# KiCad board DALU.kicad_pcb
title: DALU for SlothPU; rev: 1
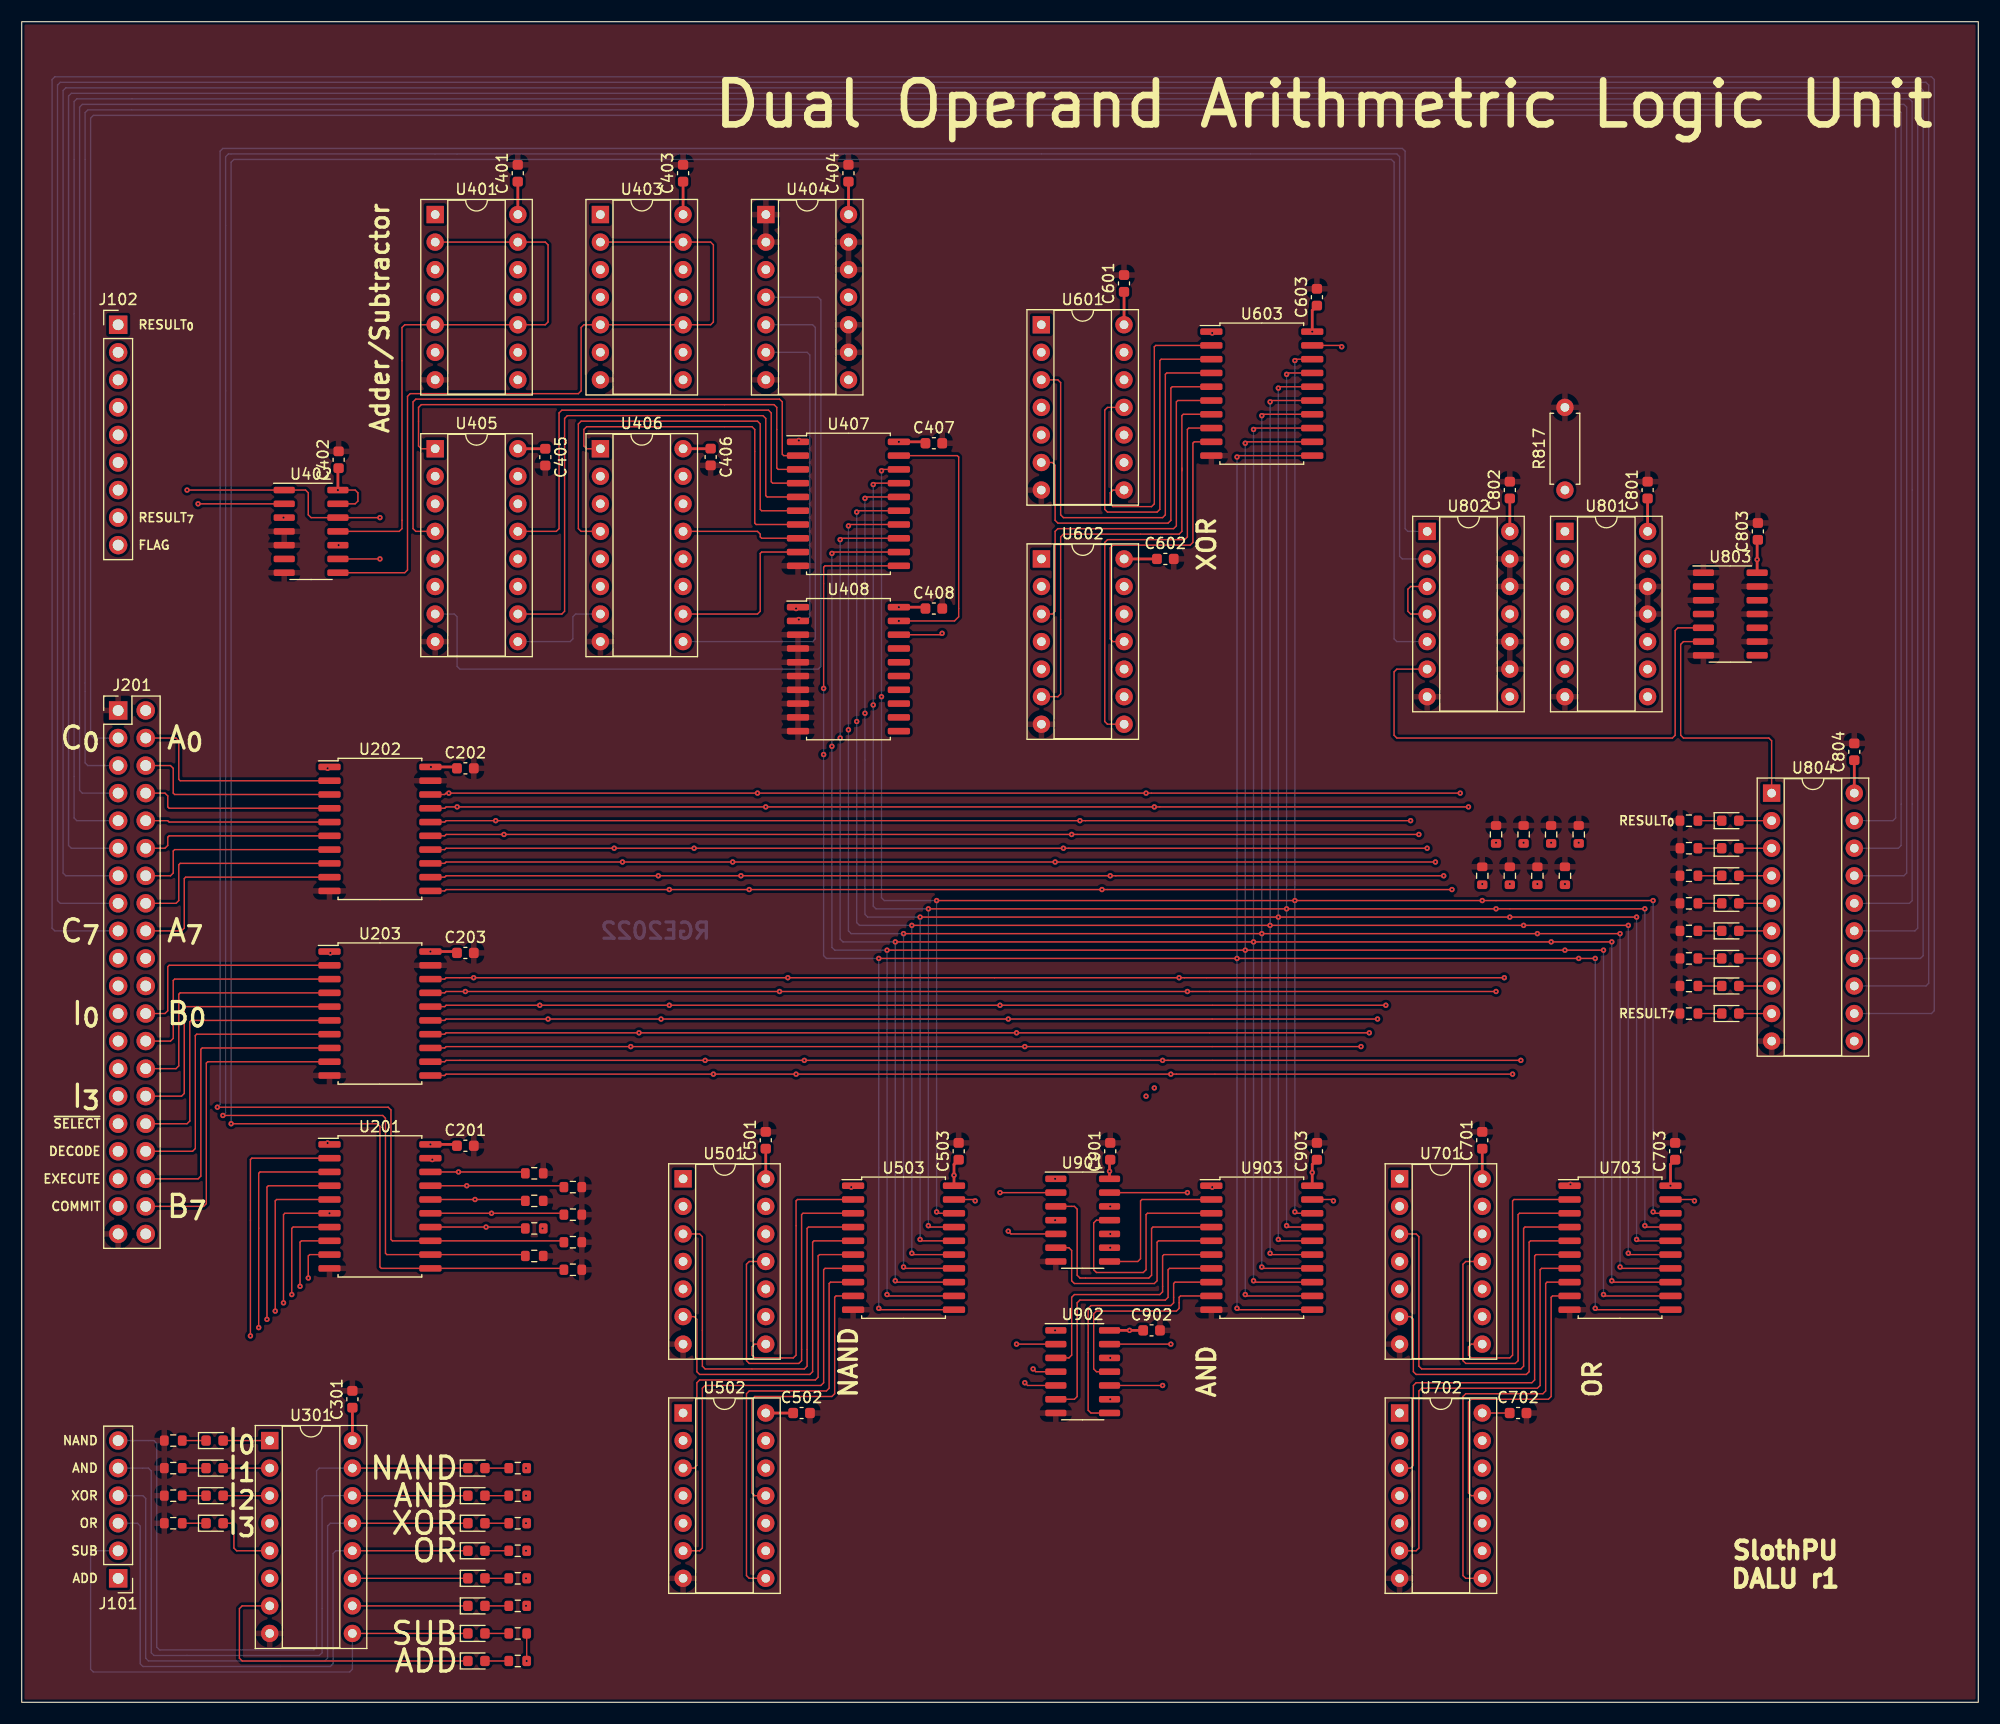
[diagram p0: board, top side]
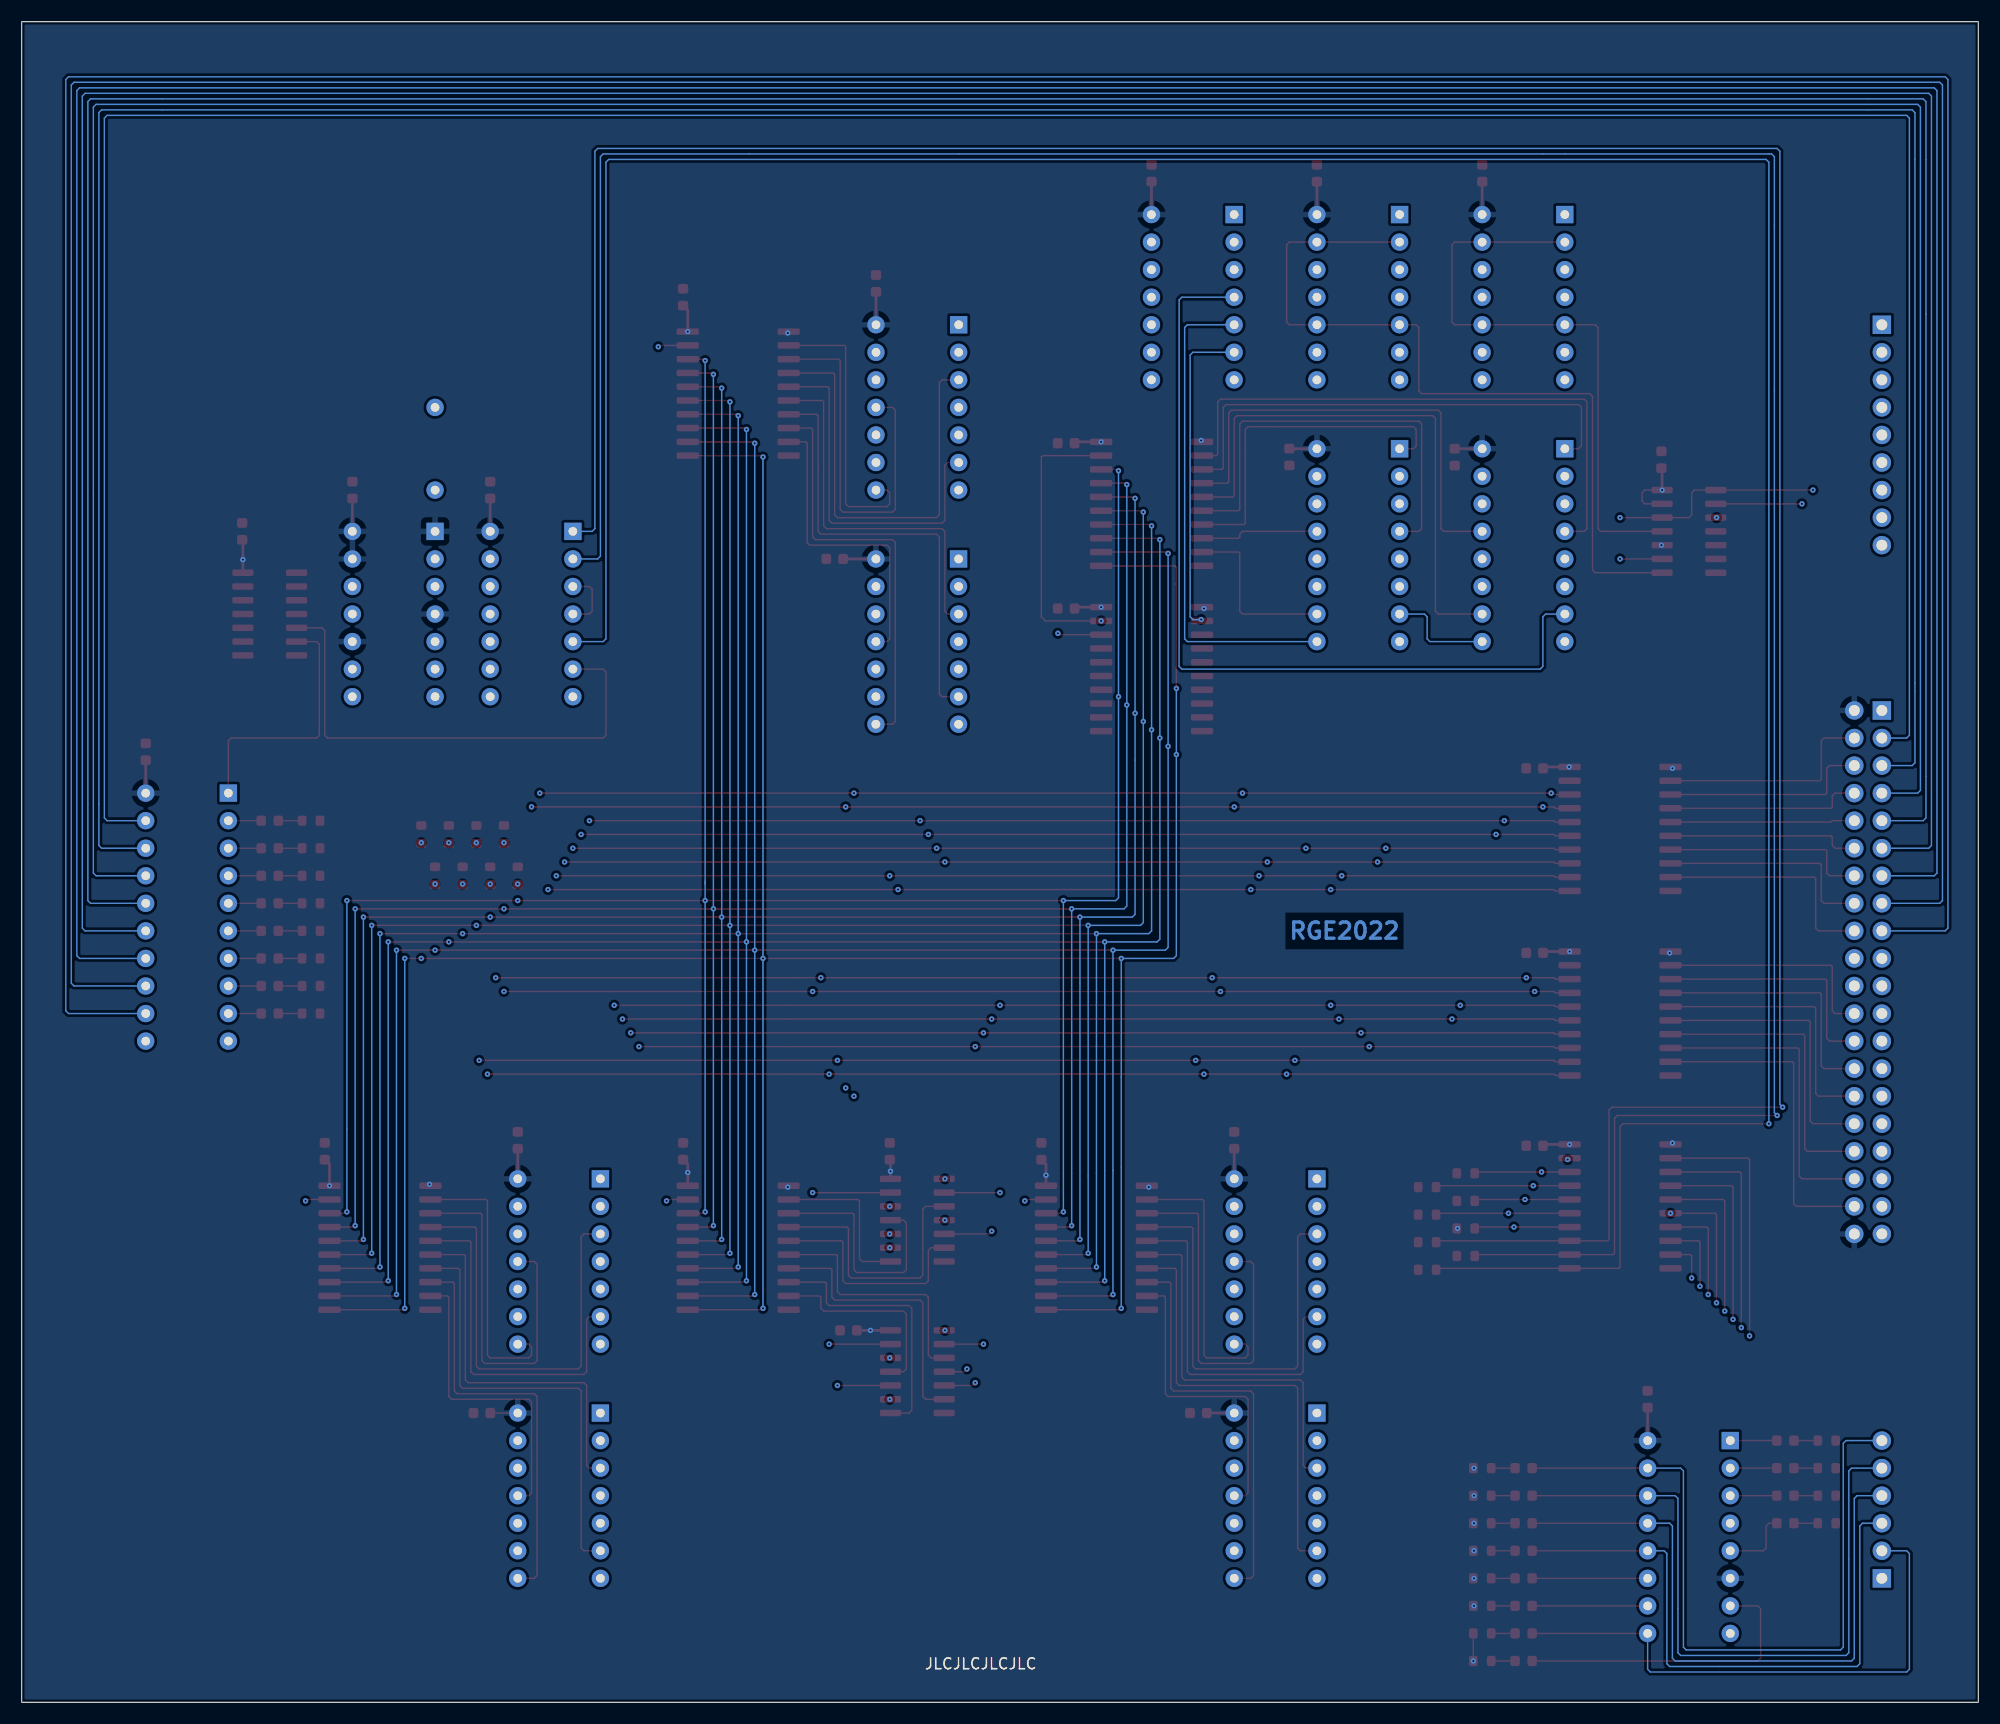
[diagram p1: board, bottom side, seen from below]

Outline 180.34 x 154.94 mm; copper layers: Top, In1.Cu, In2.Cu, Bottom. Coordinates in mm from the lower left corner of the outline.
Outline path: rectangle 0,154.94 180.34,0
Stack: Top 0.035mm / dielectric 1.51mm FR4 er 4.5 / In1.Cu 0.035mm / dielectric 1.51mm FR4 er 4.5 / In2.Cu 0.035mm / dielectric 1.51mm FR4 er 4.5 / Bottom 0.035mm

## Placement (name value [footprint] x y rotation side)
C201  100n  [C_0603_1608Metric]  40.89 51.31 0 top
C202  100n  [C_0603_1608Metric]  40.89 86.11 0 top
C203  100n  [C_0603_1608Metric]  40.89 69.09 0 top
C301  100n  [C_0603_1608Metric]  30.48 27.94 90 top
C401  100n  [C_0603_1608Metric]  45.72 140.97 90 top
C402  100n  [C_0603_1608Metric]  29.21 114.55 90 top
C403  100n  [C_0603_1608Metric]  60.96 140.97 90 top
C404  100n  [C_0603_1608Metric]  76.2 140.97 90 top
C405  100n  [C_0603_1608Metric]  48.26 114.8 270 top
C406  100n  [C_0603_1608Metric]  63.5 114.81 270 top
C407  100n  [C_0603_1608Metric]  84.07 116.08 0 top
C408  100n  [C_0603_1608Metric]  84.07 100.84 0 top
C501  100n  [C_0603_1608Metric]  68.58 51.82 90 top
C502  100n  [C_0603_1608Metric]  71.88 26.67 0 top
C503  100n  [C_0603_1608Metric]  86.36 50.8 90 top
C601  100n  [C_0603_1608Metric]  101.6 130.81 90 top
C602  100n  [C_0603_1608Metric]  105.41 105.41 0 top
C603  100n  [C_0603_1608Metric]  119.38 129.54 90 top
C701  100n  [C_0603_1608Metric]  134.62 51.82 90 top
C702  100n  [C_0603_1608Metric]  137.92 26.67 0 top
C703  100n  [C_0603_1608Metric]  152.4 50.8 90 top
C801  100n  [C_0603_1608Metric]  149.86 111.76 90 top
C802  100n  [C_0603_1608Metric]  137.16 111.76 90 top
C803  100n  [C_0603_1608Metric]  160.02 107.95 90 top
C804  100n  [C_0603_1608Metric]  168.91 87.63 90 top
C901  100n  [C_0603_1608Metric]  100.33 50.8 90 top
C902  100n  [C_0603_1608Metric]  104.14 34.29 0 top
C903  100n  [C_0603_1608Metric]  119.38 50.8 90 top
D301  LED  [LED_0603_1608Metric]  17.78 16.51 0 top
D302  LED  [LED_0603_1608Metric]  17.78 19.05 0 top
D303  LED  [LED_0603_1608Metric]  17.78 21.59 0 top
D304  LED  [LED_0603_1608Metric]  17.78 24.13 0 top
D305  LED  [LED_0603_1608Metric]  41.91 11.43 0 top
D306  LED  [LED_0603_1608Metric]  41.91 8.89 0 top
D307  LED  [LED_0603_1608Metric]  41.91 6.35 0 top
D308  LED  [LED_0603_1608Metric]  41.91 3.81 0 top
D309  LED  [LED_0603_1608Metric]  41.91 21.59 0 top
D310  LED  [LED_0603_1608Metric]  41.91 19.05 0 top
D311  LED  [LED_0603_1608Metric]  41.91 16.51 0 top
D312  LED  [LED_0603_1608Metric]  41.91 13.97 0 top
D801  LED  [LED_0603_1608Metric]  157.48 81.28 0 top
D802  LED  [LED_0603_1608Metric]  157.48 78.74 0 top
D803  LED  [LED_0603_1608Metric]  157.48 76.2 0 top
D804  LED  [LED_0603_1608Metric]  157.48 73.66 0 top
D805  LED  [LED_0603_1608Metric]  157.48 71.12 0 top
D806  LED  [LED_0603_1608Metric]  157.48 68.58 0 top
D807  LED  [LED_0603_1608Metric]  157.48 66.04 0 top
D808  LED  [LED_0603_1608Metric]  157.48 63.5 0 top
J101  Conn_01x06  [PinHeader_1x06_P2.54mm_Vertical]  8.89 11.43 180 top
J102  Conn_01x09  [PinHeader_1x09_P2.54mm_Vertical]  8.89 127 0 top
J201  Conn_02x20_Odd_Even  [PinHeader_2x20_P2.54mm_Vertical]  8.89 91.44 0 top
R201  220k  [R_0603_1608Metric]  47.24 48.77 0 top
R202  220k  [R_0603_1608Metric]  50.8 47.5 0 top
R203  220k  [R_0603_1608Metric]  47.24 46.23 0 top
R204  220k  [R_0603_1608Metric]  50.8 44.96 0 top
R205  220k  [R_0603_1608Metric]  47.24 43.69 0 top
R206  220k  [R_0603_1608Metric]  50.8 42.42 0 top
R207  220k  [R_0603_1608Metric]  47.24 41.15 0 top
R208  220k  [R_0603_1608Metric]  50.8 39.88 0 top
R301  4k7  [R_0603_1608Metric]  13.97 16.51 0 top
R302  4k7  [R_0603_1608Metric]  13.97 19.05 0 top
R303  4k7  [R_0603_1608Metric]  13.97 21.59 0 top
R304  4k7  [R_0603_1608Metric]  13.97 24.13 0 top
R305  4k7  [R_0603_1608Metric]  45.72 11.43 0 top
R306  4k7  [R_0603_1608Metric]  45.72 8.89 0 top
R307  4k7  [R_0603_1608Metric]  45.72 6.35 0 top
R308  4k7  [R_0603_1608Metric]  45.72 3.81 0 top
R309  4k7  [R_0603_1608Metric]  45.72 21.59 0 top
R310  4k7  [R_0603_1608Metric]  45.72 19.05 0 top
R311  4k7  [R_0603_1608Metric]  45.72 16.51 0 top
R312  4k7  [R_0603_1608Metric]  45.72 13.97 0 top
R801  220k  [R_0603_1608Metric]  134.62 76.2 270 top
R802  220k  [R_0603_1608Metric]  135.89 80.01 270 top
R803  220k  [R_0603_1608Metric]  137.16 76.2 270 top
R804  220k  [R_0603_1608Metric]  138.43 80.01 270 top
R805  220k  [R_0603_1608Metric]  139.7 76.2 270 top
R806  220k  [R_0603_1608Metric]  140.97 80.01 270 top
R807  220k  [R_0603_1608Metric]  142.24 76.2 270 top
R808  220k  [R_0603_1608Metric]  143.51 80.01 270 top
R809  4k7  [R_0603_1608Metric]  153.67 81.28 0 top
R810  4k7  [R_0603_1608Metric]  153.67 78.74 0 top
R811  4k7  [R_0603_1608Metric]  153.67 76.2 0 top
R812  4k7  [R_0603_1608Metric]  153.67 73.66 0 top
R813  4k7  [R_0603_1608Metric]  153.67 71.12 0 top
R814  4k7  [R_0603_1608Metric]  153.67 68.58 0 top
R815  4k7  [R_0603_1608Metric]  153.67 66.04 0 top
R816  4k7  [R_0603_1608Metric]  153.67 63.5 0 top
R817  10k  [R_Axial_DIN0207_L6.3mm_D2.5mm_P7.62mm_Horizontal]  142.24 111.76 90 top
U201  74HC245  [SOIC-20W_7.5x12.8mm_P1.27mm]  33.02 45.72 0 top
U202  74HC245  [SOIC-20W_7.5x12.8mm_P1.27mm]  33.02 80.52 0 top
U203  74HC245  [SOIC-20W_7.5x12.8mm_P1.27mm]  33.02 63.5 0 top
U301  74HC138  [DIP-16_W7.62mm_Socket]  22.86 24.13 0 top
U401  74HC86  [DIP-14_W7.62mm_Socket]  38.11 137.16 0 top
U402  74HC08  [SOIC-14_3.9x8.7mm_P1.27mm]  26.67 107.95 0 top
U403  74HC86  [DIP-14_W7.62mm_Socket]  53.34 137.16 0 top
U404  74HC86  [DIP-14_W7.62mm_Socket]  68.59 137.16 0 top
U405  74HC283  [DIP-16_W7.62mm_Socket]  38.11 115.57 0 top
U406  74HC283  [DIP-16_W7.62mm_Socket]  53.34 115.57 0 top
U407  74HC245  [SOIC-20W_7.5x12.8mm_P1.27mm]  76.2 110.49 0 top
U408  74HC245  [SOIC-20W_7.5x12.8mm_P1.27mm]  76.2 95.25 0 top
U501  74HC00  [DIP-14_W7.62mm_Socket]  60.96 48.26 0 top
U502  74HC00  [DIP-14_W7.62mm_Socket]  60.96 26.67 0 top
U503  74HC245  [SOIC-20W_7.5x12.8mm_P1.27mm]  81.28 41.91 0 top
U601  74HC86  [DIP-14_W7.62mm_Socket]  93.98 127 0 top
U602  74HC86  [DIP-14_W7.62mm_Socket]  93.99 105.41 0 top
U603  74HC245  [SOIC-20W_7.5x12.8mm_P1.27mm]  114.3 120.65 0 top
U701  74HC32  [DIP-14_W7.62mm_Socket]  127 48.26 0 top
U702  74HC32  [DIP-14_W7.62mm_Socket]  127 26.67 0 top
U703  74HC245  [SOIC-20W_7.5x12.8mm_P1.27mm]  147.32 41.91 0 top
U801  74HC74  [DIP-14_W7.62mm_Socket]  142.24 107.95 0 top
U802  74HC32  [DIP-14_W7.62mm_Socket]  129.54 107.95 0 top
U803  74HC14  [SOIC-14_3.9x8.7mm_P1.27mm]  157.48 100.33 0 top
U804  74HCT574  [DIP-20_W7.62mm_Socket]  161.29 83.82 0 top
U901  74HC08  [SOIC-14_3.9x8.7mm_P1.27mm]  97.79 44.45 0 top
U902  74HC08  [SOIC-14_3.9x8.7mm_P1.27mm]  97.79 30.48 0 top
U903  74HC245  [SOIC-20W_7.5x12.8mm_P1.27mm]  114.3 41.91 0 top

## Library data of the parts
C201-C203 C301 C401-C408 C501-C503 C601-C603 C701-C703 C801-C804 C901-C903 = -: LCSC: C14663
D301 D305 D306 = -: LCSC: C2286
D302-D304 D307-D312 D801-D808 = -: LCSC: C72043
R201-R208 R801-R808 = -: LCSC: C22961
R301-R312 R809-R816 = -: LCSC: C23162
U201-U203 U407 U408 U503 U603 U703 U903 = -: LCSC: C5625
U402 U901 U902 = -: LCSC: C5593

## Footprints (pads in the part's own frame, mm; a bottom-side part is the same pattern mirrored in y, then rotated)
C_0603_1608Metric
  rrect 0.9x0.95 smd: 1(-0.775,0) 2(0.775,0)
DIP-14_W7.62mm_Socket
  rect 1.6x1.6 hole 0.8: 1(0,0)
  oval 1.6x1.6 hole 0.8: 2(0,-2.54) 3(0,-5.08) 4(0,-7.62) 5(0,-10.16) 6(0,-12.7) 7(0,-15.24) 8(7.62,-15.24) 9(7.62,-12.7) 10(7.62,-10.16) 11(7.62,-7.62) 12(7.62,-5.08) 13(7.62,-2.54) 14(7.62,0)
DIP-16_W7.62mm_Socket
  rect 1.6x1.6 hole 0.8: 1(0,0)
  oval 1.6x1.6 hole 0.8: 2(0,-2.54) 3(0,-5.08) 4(0,-7.62) 5(0,-10.16) 6(0,-12.7) 7(0,-15.24) 8(0,-17.78) 9(7.62,-17.78) 10(7.62,-15.24) 11(7.62,-12.7) 12(7.62,-10.16) 13(7.62,-7.62) 14(7.62,-5.08) 15(7.62,-2.54) 16(7.62,0)
DIP-20_W7.62mm_Socket
  rect 1.6x1.6 hole 0.8: 1(0,0)
  oval 1.6x1.6 hole 0.8: 2(0,-2.54) 3(0,-5.08) 4(0,-7.62) 5(0,-10.16) 6(0,-12.7) 7(0,-15.24) 8(0,-17.78) 9(0,-20.32) 10(0,-22.86) 11(7.62,-22.86) 12(7.62,-20.32) 13(7.62,-17.78) 14(7.62,-15.24) 15(7.62,-12.7) 16(7.62,-10.16) 17(7.62,-7.62) 18(7.62,-5.08) 19(7.62,-2.54) 20(7.62,0)
LED_0603_1608Metric
  rrect 0.875x0.95 smd: 1(-0.787,0) 2(0.787,0)
PinHeader_1x06_P2.54mm_Vertical
  rect 1.7x1.7 hole 1: 1(0,0)
  oval 1.7x1.7 hole 1: 2(0,-2.54) 3(0,-5.08) 4(0,-7.62) 5(0,-10.16) 6(0,-12.7)
PinHeader_1x09_P2.54mm_Vertical
  rect 1.7x1.7 hole 1: 1(0,0)
  oval 1.7x1.7 hole 1: 2(0,-2.54) 3(0,-5.08) 4(0,-7.62) 5(0,-10.16) 6(0,-12.7) 7(0,-15.24) 8(0,-17.78) 9(0,-20.32)
PinHeader_2x20_P2.54mm_Vertical
  rect 1.7x1.7 hole 1: 1(0,0)
  oval 1.7x1.7 hole 1: 2(2.54,0) 3(0,-2.54) 4(2.54,-2.54) 5(0,-5.08) 6(2.54,-5.08) 7(0,-7.62) 8(2.54,-7.62) 9(0,-10.16) 10(2.54,-10.16) 11(0,-12.7) 12(2.54,-12.7) 13(0,-15.24) 14(2.54,-15.24) 15(0,-17.78) 16(2.54,-17.78) 17(0,-20.32) 18(2.54,-20.32) 19(0,-22.86) 20(2.54,-22.86) 21(0,-25.4) 22(2.54,-25.4) 23(0,-27.94) 24(2.54,-27.94) 25(0,-30.48) 26(2.54,-30.48) 27(0,-33.02) 28(2.54,-33.02) 29(0,-35.56) 30(2.54,-35.56) 31(0,-38.1) 32(2.54,-38.1) 33(0,-40.64) 34(2.54,-40.64) 35(0,-43.18) 36(2.54,-43.18) 37(0,-45.72) 38(2.54,-45.72) 39(0,-48.26) 40(2.54,-48.26)
R_0603_1608Metric
  rrect 0.8x0.95 smd: 1(-0.825,0) 2(0.825,0)
R_Axial_DIN0207_L6.3mm_D2.5mm_P7.62mm_Horizontal
  round 1.6 hole 0.8: 1(0,0)
  oval 1.6x1.6 hole 0.8: 2(7.62,0)
SOIC-14_3.9x8.7mm_P1.27mm
  rrect 1.95x0.6 smd: 1(-2.475,3.81) 2(-2.475,2.54) 3(-2.475,1.27) 4(-2.475,0) 5(-2.475,-1.27) 6(-2.475,-2.54) 7(-2.475,-3.81) 8(2.475,-3.81) 9(2.475,-2.54) 10(2.475,-1.27) 11(2.475,0) 12(2.475,1.27) 13(2.475,2.54) 14(2.475,3.81)
SOIC-20W_7.5x12.8mm_P1.27mm
  rrect 2.05x0.6 smd: 1(-4.65,5.715) 2(-4.65,4.445) 3(-4.65,3.175) 4(-4.65,1.905) 5(-4.65,0.635) 6(-4.65,-0.635) 7(-4.65,-1.905) 8(-4.65,-3.175) 9(-4.65,-4.445) 10(-4.65,-5.715) 11(4.65,-5.715) 12(4.65,-4.445) 13(4.65,-3.175) 14(4.65,-1.905) 15(4.65,-0.635) 16(4.65,0.635) 17(4.65,1.905) 18(4.65,3.175) 19(4.65,4.445) 20(4.65,5.715)

## Nets
+5V: C201.1 C202.1 C203.1 C301.1 C401.1 C402.1 C403.1 C404.1 C405.1 C406.1 C407.1 C408.1 C501.1 C502.1 C503.1 C601.1 C602.1 C603.1 C701.1 C702.1 C703.1 C801.1 C802.1 C803.1 C804.1 C901.1 C902.1 C903.1 J201.2 J201.40 R205.2 R305.2 R306.2 R307.2 R308.2 R309.2 R310.2 R311.2 R312.2 U201.1 U201.20 U202.1 U202.20 U203.1 U203.20 U301.6 U301.16 U401.14 U402.10 U402.13 U402.14 U403.14 U404.14 U405.16 U406.16 U407.1 U407.20 U408.1 U408.20 U501.14 U502.14 U503.1 U503.20 U601.14 U602.14 U603.1 U603.20 U701.14 U702.14 U703.1 U703.20 U801.1 U801.4 U801.10 U801.13 U801.14 U802.14 U803.14 U804.20 U901.14 U902.14 U903.1 U903.20
GND: C201.2 C202.2 C203.2 C301.2 C401.2 C402.2 C403.2 C404.2 C405.2 C406.2 C407.2 C408.2 C501.2 C502.2 C503.2 C601.2 C602.2 C603.2 C701.2 C702.2 C703.2 C801.2 C802.2 C803.2 C804.2 C901.2 C902.2 C903.2 J201.1 J201.39 R201.2 R202.2 R203.2 R204.2 R206.2 R207.2 R208.2 R301.1 R302.1 R303.1 R304.1 R801.1 R802.1 R803.1 R804.1 R805.1 R806.1 R807.1 R808.1 R809.1 R810.1 R811.1 R812.1 R813.1 R814.1 R815.1 R816.1 R817.2 U201.10 U202.10 U202.19 U203.10 U203.19 U301.8 U401.7 U402.4 U402.5 U402.7 U403.7 U404.1 U404.2 U404.7 U404.9 U404.10 U404.12 U404.13 U405.8 U406.8 U407.10 U408.3 U408.4 U408.5 U408.6 U408.7 U408.8 U408.9 U408.10 U501.7 U502.7 U503.10 U601.7 U602.7 U603.10 U701.7 U702.7 U703.10 U801.7 U801.11 U801.12 U802.7 U802.9 U802.10 U802.12 U802.13 U803.1 U803.3 U803.7 U803.9 U803.11 U803.13 U804.10 U901.7 U902.7 U903.10
/AdderSubtractor/B'0: U401.3 U405.6
/AdderSubtractor/B'1: U401.6 U405.2
/AdderSubtractor/B'2: U401.8 U405.15
/AdderSubtractor/B'3: U401.11 U405.11
/AdderSubtractor/B'4: U403.3 U406.6
/AdderSubtractor/B'5: U403.6 U406.2
/AdderSubtractor/B'6: U403.8 U406.15
/AdderSubtractor/B'7: U403.11 U406.11
/AdderSubtractor/FLAG: J102.9 R817.1 U408.18 U801.2
/AdderSubtractor/S_{0}: U405.4 U407.2
/AdderSubtractor/S_{1}: U405.1 U407.3
/AdderSubtractor/S_{2}: U405.13 U407.4
/AdderSubtractor/S_{3}: U405.10 U407.5
/AdderSubtractor/S_{4}: U406.4 U407.6
/AdderSubtractor/S_{5}: U406.1 U407.7
/AdderSubtractor/S_{6}: U406.13 U407.8
/AdderSubtractor/S_{7}: U406.10 U407.9
/AdderSubtractor/~{OE}: U402.3 U407.19 U408.19
/AND/A0: U202.18 U405.5 U501.9 U601.9 U701.9 U901.9
/AND/A1: U202.17 U405.3 U501.12 U601.12 U701.12 U901.12
/AND/A2: U202.16 U405.14 U501.1 U601.1 U701.1 U901.1
/AND/A3: U202.15 U405.12 U501.4 U601.4 U701.4 U901.4
/AND/A4: U202.14 U406.5 U502.1 U602.1 U702.1 U902.1
/AND/A5: U202.13 U406.3 U502.4 U602.4 U702.4 U902.4
/AND/A6: U202.12 U406.14 U502.9 U602.9 U702.9 U902.9
/AND/A7: U202.11 U406.12 U502.12 U602.12 U702.12 U902.12
/AND/AND0: U901.8 U903.2
/AND/AND1: U901.11 U903.3
/AND/AND2: U901.3 U903.4
/AND/AND3: U901.6 U903.5
/AND/AND4: U902.3 U903.6
/AND/AND5: U902.6 U903.7
/AND/AND6: U902.8 U903.8
/AND/AND7: U902.11 U903.9
/AND/B0: U203.18 U401.1 U501.10 U601.10 U701.10 U901.10
/AND/B1: U203.17 U401.4 U501.13 U601.13 U701.13 U901.13
/AND/B2: U203.16 U401.9 U501.2 U601.2 U701.2 U901.2
/AND/B3: U203.15 U401.12 U501.5 U601.5 U701.5 U901.5
/AND/B4: U203.14 U403.1 U502.2 U602.2 U702.2 U902.2
/AND/B5: U203.13 U403.4 U502.5 U602.5 U702.5 U902.5
/AND/B6: U203.12 U403.9 U502.10 U602.10 U702.10 U902.10
/AND/B7: U203.11 U403.12 U502.13 U602.13 U702.13 U902.13
/AND/RESULT0: D801.2 J102.1 R801.2 U407.18 U503.18 U603.18 U703.18 U804.2 U903.18
/AND/RESULT1: D802.2 J102.2 R802.2 U407.17 U503.17 U603.17 U703.17 U804.3 U903.17
/AND/RESULT2: D803.2 J102.3 R803.2 U407.16 U503.16 U603.16 U703.16 U804.4 U903.16
/AND/RESULT3: D804.2 J102.4 R804.2 U407.15 U503.15 U603.15 U703.15 U804.5 U903.15
/AND/RESULT4: D805.2 J102.5 R805.2 U407.14 U503.14 U603.14 U703.14 U804.6 U903.14
/AND/RESULT5: D806.2 J102.6 R806.2 U407.13 U503.13 U603.13 U703.13 U804.7 U903.13
/AND/RESULT6: D807.2 J102.7 R807.2 U407.12 U503.12 U603.12 U703.12 U804.8 U903.12
/AND/RESULT7: D808.2 J102.8 R808.2 U407.11 U503.11 U603.11 U703.11 U804.9 U903.11
/Connector/A^{raw}_{0}: J201.4 U202.2
/Connector/B^{raw}_{0}: J201.24 U203.2
/Connector/C0: J201.3 U804.19
/Connector/C1: J201.5 U804.18
/Connector/C2: J201.7 U804.17
/Connector/C3: J201.9 U804.16
/Connector/C4: J201.11 U804.15
/Connector/C5: J201.13 U804.14
/Connector/C6: J201.15 U804.13
/Connector/C7: J201.17 U804.12
/Connector/Commit_{raw}: J201.37 U201.9
/Connector/Control.Commit: R208.1 U201.11 U802.5
/Connector/Control.Decode: R206.1 U201.13 U802.1
/Connector/Control.Execute: R207.1 U201.12 U801.3 U802.2 U804.11
/Connector/Control.I0: D304.2 R201.1 U201.18 U301.1
/Connector/Control.I1: D303.2 R202.1 U201.17 U301.2
/Connector/Control.I2: D302.2 R203.1 U201.16 U301.3
/Connector/Control.I3: D301.2 R204.1 U201.15 U301.5
/Connector/Control.~{SELECT}: R205.1 U201.14 U301.4
/Connector/DALUFLAG: J201.19 U801.5
/Connector/Decode_{raw}: J201.33 U201.7
/Connector/Execute_{raw}: J201.35 U201.8
/Connector/I^{raw}_{0}: J201.23 U201.2
/Connector/I^{raw}_{1}: J201.25 U201.3
/Connector/I^{raw}_{2}: J201.27 U201.4
/Connector/I^{raw}_{3}: J201.29 U201.5
/Connector/~{SELECT_{DALU}}: J201.31 U201.6 U201.19
/Decoder/~{ADD}: D308.1 J101.1 U301.7 U402.1 U402.9 U402.12 U404.4 U405.7
/Decoder/~{AND}: D310.1 J101.5 U301.14 U903.19
/Decoder/~{BAD_{2}}: D306.1 U301.10
/Decoder/~{BAD_{3}}: D305.1 U301.11
/Decoder/~{NAND}: D309.1 J101.6 U301.15 U503.19
/Decoder/~{OR}: D312.1 J101.3 U301.12 U703.19
/Decoder/~{SUBTRACT}: D307.1 J101.2 U301.9 U402.2
/Decoder/~{XOR}: D311.1 J101.4 U301.13 U603.19
/NAND/NAND0: U501.8 U503.2
/NAND/NAND1: U501.11 U503.3
/NAND/NAND2: U501.3 U503.4
/NAND/NAND3: U501.6 U503.5
/NAND/NAND4: U502.3 U503.6
/NAND/NAND5: U502.6 U503.7
/NAND/NAND6: U502.8 U503.8
/NAND/NAND7: U502.11 U503.9
/OR/OR0: U701.8 U703.2
/OR/OR1: U701.11 U703.3
/OR/OR2: U701.3 U703.4
/OR/OR3: U701.6 U703.5
/OR/OR4: U702.3 U703.6
/OR/OR5: U702.6 U703.7
/OR/OR6: U702.8 U703.8
/OR/OR7: U702.11 U703.9
/Output Stage/~{OE}: U803.6 U804.1
/XOR/XOR0: U601.8 U603.2
/XOR/XOR1: U601.11 U603.3
/XOR/XOR2: U601.3 U603.4
/XOR/XOR3: U601.6 U603.5
/XOR/XOR4: U602.3 U603.6
/XOR/XOR5: U602.6 U603.7
/XOR/XOR6: U602.8 U603.8
/XOR/XOR7: U602.11 U603.9
Net-(D301-Pad1): D301.1 R301.2
Net-(D302-Pad1): D302.1 R302.2
Net-(D303-Pad1): D303.1 R303.2
Net-(D304-Pad1): D304.1 R304.2
Net-(D305-Pad2): D305.2 R305.1
Net-(D306-Pad2): D306.2 R306.1
Net-(D307-Pad2): D307.2 R307.1
Net-(D308-Pad2): D308.2 R308.1
Net-(D309-Pad2): D309.2 R309.1
Net-(D310-Pad2): D310.2 R310.1
Net-(D311-Pad2): D311.2 R311.1
Net-(D312-Pad2): D312.2 R312.1
Net-(D801-Pad1): D801.1 R809.2
Net-(D802-Pad1): D802.1 R810.2
Net-(D803-Pad1): D803.1 R811.2
Net-(D804-Pad1): D804.1 R812.2
Net-(D805-Pad1): D805.1 R813.2
Net-(D806-Pad1): D806.1 R814.2
Net-(D807-Pad1): D807.1 R815.2
Net-(D808-Pad1): D808.1 R816.2
Net-(J201-Pad6): J201.6 U202.3
Net-(J201-Pad8): J201.8 U202.4
Net-(J201-Pad10): J201.10 U202.5
Net-(J201-Pad12): J201.12 U202.6
Net-(J201-Pad14): J201.14 U202.7
Net-(J201-Pad16): J201.16 U202.8
Net-(J201-Pad18): J201.18 U202.9
Net-(J201-Pad26): J201.26 U203.3
Net-(J201-Pad28): J201.28 U203.4
Net-(J201-Pad30): J201.30 U203.5
Net-(J201-Pad32): J201.32 U203.6
Net-(J201-Pad34): J201.34 U203.7
Net-(J201-Pad36): J201.36 U203.8
Net-(J201-Pad38): J201.38 U203.9
Net-(U401-Pad10): U401.2 U401.5 U401.10 U401.13 U402.11
Net-(U402-Pad8): U402.8 U403.2 U403.5 U403.10 U403.13
Net-(U404-Pad5): U404.5 U406.9
Net-(U404-Pad6): U404.6 U408.2
Net-(U405-Pad9): U405.9 U406.7
Net-(U802-Pad3): U802.3 U802.4
Net-(U802-Pad6): U802.6 U803.5

Pads without a net: J201 20 21 22; U402 6; U404 3 8 11; U408 11 12 13 14 15 16 17; U801 6 8 9; U802 8 11; U803 2 4 8 10 12

## Via types
v1: diameter 0.5, hole 0.201, Top to Bottom, 227 vias
